# KiCad board poly_kb_molecule_8x5.kicad_pcb (continued)
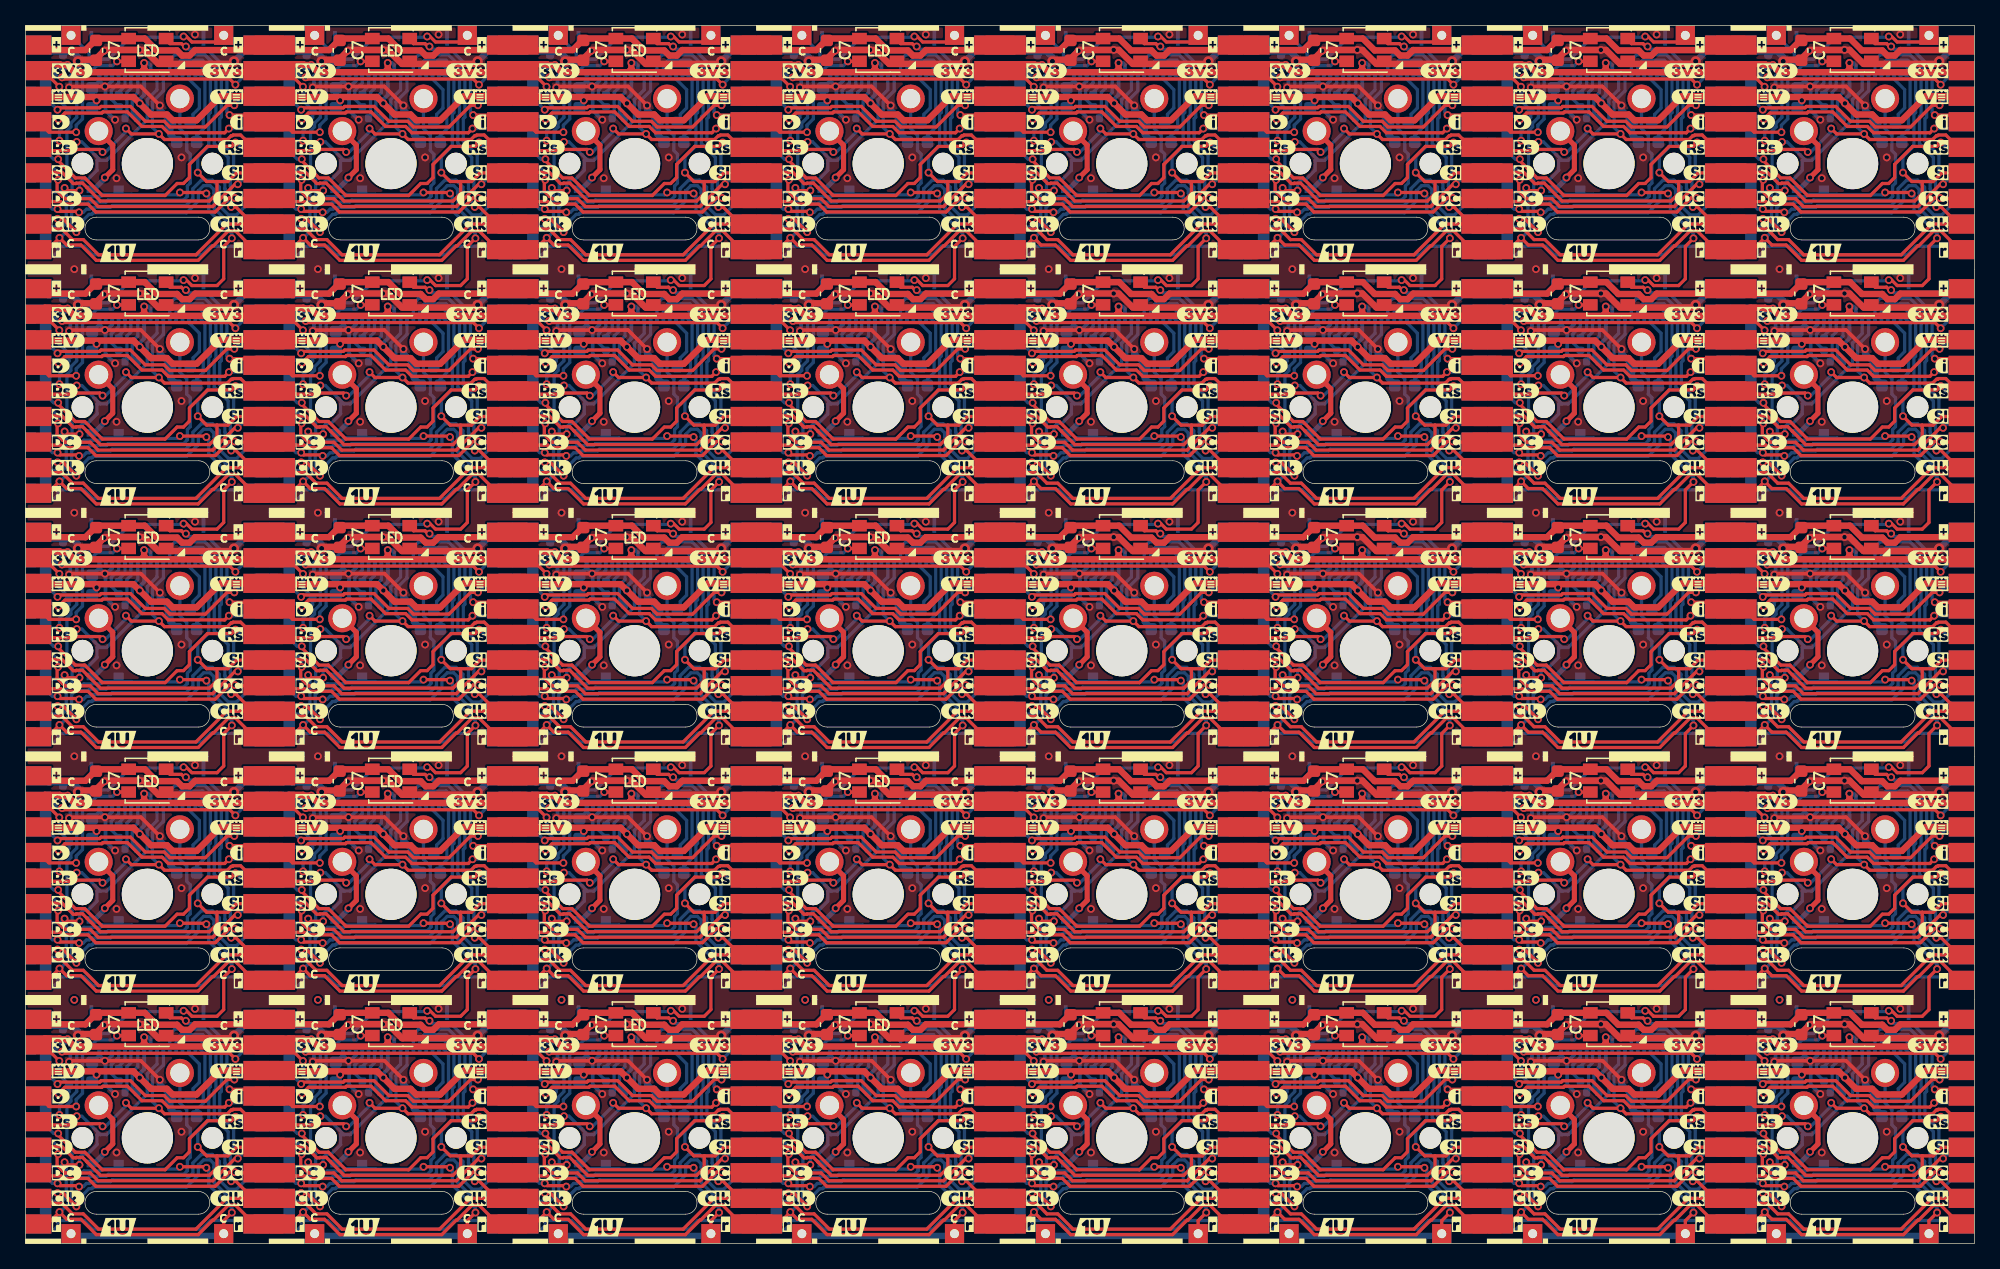
[diagram p0: board, top side]
## Routing (per net, layer and track width the routed paths; a pad name or vN(x,y) marks a point on that pad's centre or on a via; arc(x,y) is an arc through that point) (continued)
CS7: length 951
  Top w0.254: v1(78.7,61.09) 79.13,61.09 v1(80.17,60.04) ; v1(2.5,61.09) 2.93,61.09 v1(3.97,60.04) ; v1(78.7,80.14) 79.13,80.14 v1(80.17,79.09) ; v1(3.97,21.94) 2.93,22.99 v1(2.5,22.99) ; v1(40.6,3.94) 41.03,3.94 v1(42.07,2.89) ; v1(23.02,60.04) 21.98,61.09 v1(21.55,61.09) ; v1(61.12,79.09) 60.08,80.14 v1(59.65,80.14) ; v1(40.6,80.14) 41.03,80.14 v1(42.07,79.09) ; v1(59.65,3.94) 60.08,3.94 v1(61.12,2.89) ; v1(118.27,60.04) 117.23,61.09 v1(116.8,61.09) ; v1(118.27,2.89) 117.23,3.94 v1(116.8,3.94) ; v1(97.75,61.09) 98.18,61.09 v1(99.22,60.04) ; v1(118.27,79.09) 117.23,80.14 v1(116.8,80.14) ; v1(80.17,2.89) 79.13,3.94 v1(78.7,3.94) ; v1(137.32,2.89) 136.28,3.94 v1(135.85,3.94) ; v1(135.85,42.04) 136.28,42.04 v1(137.32,40.99) ; v1(137.32,60.04) 136.28,61.09 v1(135.85,61.09) ; v1(42.07,40.99) 41.03,42.04 v1(40.6,42.04) ; v1(97.75,42.04) 98.18,42.04 v1(99.22,40.99) ; v1(118.27,40.99) 117.23,42.04 v1(116.8,42.04) ; v1(23.02,2.89) 21.98,3.94 v1(21.55,3.94) ; v1(21.55,22.99) 21.98,22.99 v1(23.02,21.94) ; v1(80.17,21.94) 79.13,22.99 v1(78.7,22.99) ; v1(23.02,79.09) 21.98,80.14 v1(21.55,80.14) ; v1(137.32,79.09) 136.28,80.14 v1(135.85,80.14) ; v1(42.07,60.04) 41.03,61.09 v1(40.6,61.09) ; v1(3.97,40.99) 2.93,42.04 v1(2.5,42.04) ; v1(97.75,22.99) 98.18,22.99 v1(99.22,21.94) ; v1(3.97,2.89) 2.93,3.94 v1(2.5,3.94) ; v1(59.65,61.09) 60.08,61.09 v1(61.12,60.04) ; v1(135.85,22.99) 136.28,22.99 v1(137.32,21.94) ; v1(97.75,3.94) 98.18,3.94 v1(99.22,2.89) ; v1(61.12,40.99) 60.08,42.04 v1(59.65,42.04) ; v1(21.55,42.04) 21.98,42.04 v1(23.02,40.99) ; v1(61.12,21.94) 60.08,22.99 v1(59.65,22.99) ; v1(116.8,22.99) 117.23,22.99 v1(118.27,21.94) ; v1(80.17,40.99) 79.13,42.04 v1(78.7,42.04) ; v1(40.6,22.99) 41.03,22.99 v1(42.07,21.94) ; v1(3.97,79.09) 2.93,80.14 v1(2.5,80.14) ; v1(99.22,79.09) 98.18,80.14 v1(97.75,80.14)
  Bottom w0.254: v1(42.07,40.99) 42.07,41.25 42.11,41.28 42.11,41.43 43.06,42.39 43.26,42.39 43.31,42.43 43.33,42.43 43.4,42.5 50.68,42.5 51.61,43.43 51.61,44.21 51.63,44.22 51.63,44.23 51.63,44.23 51.63,44.24 52.03,44.63 52.53,44.63 52.82,44.34 52.82,44.04 52.86,44.01 52.86,42.85 54.08,41.62 J6#17.8 ; v1(40.6,22.99) 40.58,23.01 39.05,23.01 J5#40.8 ; v1(40.6,42.04) 40.58,42.06 39.05,42.06 J5#17.8 ; v1(3.97,40.99) 3.97,41.25 4.01,41.28 4.01,41.43 4.96,42.39 5.16,42.39 5.21,42.43 5.23,42.43 5.3,42.5 12.58,42.5 13.51,43.43 13.51,44.21 13.53,44.22 13.53,44.23 13.53,44.23 13.53,44.24 13.93,44.63 14.43,44.63 14.72,44.34 14.72,44.04 14.76,44.01 14.76,42.85 15.98,41.62 J6#8.8 ; v1(135.85,22.99) 135.83,23.01 134.3,23.01 J5#37.8 ; J6#7.8 130.28,60.67 129.06,61.9 129.06,63.06 129.02,63.09 129.02,63.39 128.73,63.68 128.23,63.68 127.83,63.29 127.83,63.28 127.83,63.28 127.83,63.27 127.81,63.26 127.81,62.48 126.88,61.55 119.6,61.55 119.53,61.48 119.51,61.48 119.46,61.44 119.26,61.44 118.31,60.48 118.31,60.33 118.27,60.3 v1(118.27,60.04) ; v1(23.02,60.04) 23.02,60.3 23.06,60.33 23.06,60.48 24.01,61.44 24.21,61.44 24.26,61.48 24.28,61.48 24.35,61.55 31.63,61.55 32.56,62.48 32.56,63.26 32.58,63.27 32.58,63.28 32.58,63.28 32.58,63.29 32.98,63.68 33.48,63.68 33.77,63.39 33.77,63.09 33.81,63.06 33.81,61.9 35.03,60.67 J6#2.8 ; v1(40.6,3.94) 40.58,3.96 39.05,3.96 J5#36.8 ; v1(80.17,40.99) 80.17,41.25 80.21,41.28 80.21,41.43 81.16,42.39 81.36,42.39 81.41,42.43 81.43,42.43 81.5,42.5 88.78,42.5 89.71,43.43 89.71,44.21 89.73,44.22 89.73,44.23 89.73,44.23 89.73,44.24 90.13,44.63 90.63,44.63 90.92,44.34 90.92,44.04 90.96,44.01 90.96,42.85 92.18,41.62 J6#32.8 ; v1(80.17,21.94) 80.17,22.2 80.21,22.23 80.21,22.38 81.16,23.34 81.36,23.34 81.41,23.38 81.43,23.38 81.5,23.45 88.78,23.45 89.71,24.38 89.71,25.16 89.73,25.17 89.73,25.18 89.73,25.18 89.73,25.19 90.13,25.58 90.63,25.58 90.92,25.29 90.92,24.99 90.96,24.96 90.96,23.8 92.18,22.57 J6#37.8 ; v1(61.12,79.09) 61.12,79.35 61.16,79.38 61.16,79.53 62.11,80.49 62.31,80.49 62.36,80.53 62.38,80.53 62.45,80.6 69.73,80.6 70.66,81.53 70.66,82.31 70.68,82.32 70.68,82.33 70.68,82.33 70.68,82.34 71.08,82.73 71.58,82.73 71.87,82.44 71.87,82.14 71.91,82.11 71.91,80.95 73.13,79.72 J6#15.8 ; J5#2.8 39.05,80.16 40.58,80.16 v1(40.6,80.14) ; J6#13.8 92.18,79.72 90.96,80.95 90.96,82.11 90.92,82.14 90.92,82.44 90.63,82.73 90.13,82.73 89.73,82.34 89.73,82.33 89.73,82.33 89.73,82.32 89.71,82.31 89.71,81.53 88.78,80.6 81.5,80.6 81.43,80.53 81.41,80.53 81.36,80.49 81.16,80.49 80.21,79.53 80.21,79.38 80.17,79.35 v1(80.17,79.09) ; J6#9.8 149.33,41.62 148.11,42.85 148.11,44.01 148.07,44.04 148.07,44.34 147.78,44.63 147.28,44.63 146.88,44.24 146.88,44.23 146.88,44.23 146.88,44.22 146.86,44.21 146.86,43.43 145.93,42.5 138.65,42.5 138.58,42.43 138.56,42.43 138.51,42.39 138.31,42.39 137.36,41.43 137.36,41.28 137.32,41.25 v1(137.32,40.99) ; J5#31.8 20,23.01 21.53,23.01 v1(21.55,22.99) ; J5#28.8 58.1,80.16 59.63,80.16 v1(59.65,80.14) ; v1(116.8,3.94) 116.78,3.96 115.25,3.96 J5#33.8 ; J5#19.8 20,61.11 21.53,61.11 v1(21.55,61.09) ; J6#26.8 54.08,3.53 52.86,4.75 52.86,5.91 52.82,5.94 52.82,6.24 52.53,6.53 52.03,6.53 51.63,6.14 51.63,6.13 51.63,6.13 51.63,6.12 51.61,6.11 51.61,5.33 50.68,4.4 43.4,4.4 43.33,4.33 43.31,4.33 43.26,4.29 43.06,4.29 42.11,3.33 42.11,3.18 42.07,3.15 v1(42.07,2.89) ; v1(118.27,40.99) 118.27,41.25 118.31,41.28 118.31,41.43 119.26,42.39 119.46,42.39 119.51,42.43 119.53,42.43 119.6,42.5 126.88,42.5 127.81,43.43 127.81,44.21 127.83,44.22 127.83,44.23 127.83,44.23 127.83,44.24 128.23,44.63 128.73,44.63 129.02,44.34 129.02,44.04 129.06,44.01 129.06,42.85 130.28,41.62 J6#34.8 ; J6#3.8 111.23,60.67 110.01,61.9 110.01,63.06 109.97,63.09 109.97,63.39 109.68,63.68 109.18,63.68 108.78,63.29 108.78,63.28 108.78,63.28 108.78,63.27 108.76,63.26 108.76,62.48 107.83,61.55 100.55,61.55 100.48,61.48 100.46,61.48 100.41,61.44 100.21,61.44 99.26,60.48 99.26,60.33 99.22,60.3 v1(99.22,60.04) ; v1(3.97,79.09) 3.97,79.35 4.01,79.38 4.01,79.53 4.96,80.49 5.16,80.49 5.21,80.53 5.23,80.53 5.3,80.6 12.58,80.6 13.51,81.53 13.51,82.31 13.53,82.32 13.53,82.33 13.53,82.33 13.53,82.34 13.93,82.73 14.43,82.73 14.72,82.44 14.72,82.14 14.76,82.11 14.76,80.95 15.98,79.72 J6.8 ; J5#38.8 134.3,61.11 135.83,61.11 v1(135.85,61.09) ; J5#6.8 58.1,3.96 59.63,3.96 v1(59.65,3.94) ; v1(137.32,60.04) 137.32,60.3 137.36,60.33 137.36,60.48 138.31,61.44 138.51,61.44 138.56,61.48 138.58,61.48 138.65,61.55 145.93,61.55 146.86,62.48 146.86,63.26 146.88,63.27 146.88,63.28 146.88,63.28 146.88,63.29 147.28,63.68 147.78,63.68 148.07,63.39 148.07,63.09 148.11,63.06 148.11,61.9 149.33,60.67 J6#33.8 ; J6#36.8 111.23,22.57 110.01,23.8 110.01,24.96 109.97,24.99 109.97,25.29 109.68,25.58 109.18,25.58 108.78,25.19 108.78,25.18 108.78,25.18 108.78,25.17 108.76,25.16 108.76,24.38 107.83,23.45 100.55,23.45 100.48,23.38 100.46,23.38 100.41,23.34 100.21,23.34 99.26,22.38 99.26,22.23 99.22,22.2 v1(99.22,21.94) ; J5#14.8 96.2,42.06 97.73,42.06 v1(97.75,42.04) ; J5#7.8 77.15,3.96 78.68,3.96 v1(78.7,3.94) ; v1(80.17,60.04) 80.17,60.3 80.21,60.33 80.21,60.48 81.16,61.44 81.36,61.44 81.41,61.48 81.43,61.48 81.5,61.55 88.78,61.55 89.71,62.48 89.71,63.26 89.73,63.27 89.73,63.28 89.73,63.28 89.73,63.29 90.13,63.68 90.63,63.68 90.92,63.39 90.92,63.09 90.96,63.06 90.96,61.9 92.18,60.67 J6#12.8 ; J5#39.8 134.3,42.06 135.83,42.06 v1(135.85,42.04) ; v1(97.75,22.99) 97.73,23.01 96.2,23.01 J5#16.8 ; v1(78.7,22.99) 78.68,23.01 77.15,23.01 J5#12.8 ; J6#11.8 15.98,22.57 14.76,23.8 14.76,24.96 14.72,24.99 14.72,25.29 14.43,25.58 13.93,25.58 13.53,25.19 13.53,25.18 13.53,25.18 13.53,25.17 13.51,25.16 13.51,24.38 12.58,23.45 5.3,23.45 5.23,23.38 5.21,23.38 5.16,23.34 4.96,23.34 4.01,22.38 4.01,22.23 3.97,22.2 v1(3.97,21.94) ; J5#34.8 0.95,42.06 2.48,42.06 v1(2.5,42.04) ; v1(59.65,61.09) 59.63,61.11 58.1,61.11 J5#10.8 ; v1(97.75,3.94) 97.73,3.96 96.2,3.96 J5#8.8 ; J6#6.8 111.23,3.53 110.01,4.75 110.01,5.91 109.97,5.94 109.97,6.24 109.68,6.53 109.18,6.53 108.78,6.14 108.78,6.13 108.78,6.13 108.78,6.12 108.76,6.11 108.76,5.33 107.83,4.4 100.55,4.4 100.48,4.33 100.46,4.33 100.41,4.29 100.21,4.29 99.26,3.33 99.26,3.18 99.22,3.15 v1(99.22,2.89) ; v1(61.12,21.94) 61.12,22.2 61.16,22.23 61.16,22.38 62.11,23.34 62.31,23.34 62.36,23.38 62.38,23.38 62.45,23.45 69.73,23.45 70.66,24.38 70.66,25.16 70.68,25.17 70.68,25.18 70.68,25.18 70.68,25.19 71.08,25.58 71.58,25.58 71.87,25.29 71.87,24.99 71.91,24.96 71.91,23.8 73.13,22.57 J6#14.8 ; J5#32.8 20,80.16 21.53,80.16 v1(21.55,80.14) ; v1(116.8,22.99) 116.78,23.01 115.25,23.01 J5#30.8 ; J5#25.8 115.25,61.11 116.78,61.11 v1(116.8,61.09) ; v1(137.32,79.09) 137.32,79.35 137.36,79.38 137.36,79.53 138.31,80.49 138.51,80.49 138.56,80.53 138.58,80.53 138.65,80.6 145.93,80.6 146.86,81.53 146.86,82.31 146.88,82.32 146.88,82.33 146.88,82.33 146.88,82.34 147.28,82.73 147.78,82.73 148.07,82.44 148.07,82.14 148.11,82.11 148.11,80.95 149.33,79.72 J6#24.8 ; J6#39.8 35.03,22.57 33.81,23.8 33.81,24.96 33.77,24.99 33.77,25.29 33.48,25.58 32.98,25.58 32.58,25.19 32.58,25.18 32.58,25.18 32.58,25.17 32.56,25.16 32.56,24.38 31.63,23.45 24.35,23.45 24.28,23.38 24.26,23.38 24.21,23.34 24.01,23.34 23.06,22.38 23.06,22.23 23.02,22.2 v1(23.02,21.94) ; v1(78.7,80.14) 78.68,80.16 77.15,80.16 J5#11.8 ; J5.8 0.95,80.16 2.48,80.16 v1(2.5,80.14) ; v1(97.75,61.09) 97.73,61.11 96.2,61.11 J5#23.8 ; J5#29.8 58.1,42.06 59.63,42.06 v1(59.65,42.04) ; v1(61.12,2.89) 61.12,3.15 61.16,3.18 61.16,3.33 62.11,4.29 62.31,4.29 62.36,4.33 62.38,4.33 62.45,4.4 69.73,4.4 70.66,5.33 70.66,6.11 70.68,6.12 70.68,6.13 70.68,6.13 70.68,6.14 71.08,6.53 71.58,6.53 71.87,6.24 71.87,5.94 71.91,5.91 71.91,4.75 73.13,3.53 J6#25.8 ; J5#5.8 20,42.06 21.53,42.06 v1(21.55,42.04) ; J6#4.8 35.03,79.72 33.81,80.95 33.81,82.11 33.77,82.14 33.77,82.44 33.48,82.73 32.98,82.73 32.58,82.34 32.58,82.33 32.58,82.33 32.58,82.32 32.56,82.31 32.56,81.53 31.63,80.6 24.35,80.6 24.28,80.53 24.26,80.53 24.21,80.49 24.01,80.49 23.06,79.53 23.06,79.38 23.02,79.35 v1(23.02,79.09) ; v1(2.5,61.09) 2.48,61.11 0.95,61.11 J5#27.8 ; v1(137.32,21.94) 137.32,22.2 137.36,22.23 137.36,22.38 138.31,23.34 138.51,23.34 138.56,23.38 138.58,23.38 138.65,23.45 145.93,23.45 146.86,24.38 146.86,25.16 146.88,25.17 146.88,25.18 146.88,25.18 146.88,25.19 147.28,25.58 147.78,25.58 148.07,25.29 148.07,24.99 148.11,24.96 148.11,23.8 149.33,22.57 J6#5.8 ; J6#30.8 35.03,3.53 33.81,4.75 33.81,5.91 33.77,5.94 33.77,6.24 33.48,6.53 32.98,6.53 32.58,6.14 32.58,6.13 32.58,6.13 32.58,6.12 32.56,6.11 32.56,5.33 31.63,4.4 24.35,4.4 24.28,4.33 24.26,4.33 24.21,4.29 24.01,4.29 23.06,3.33 23.06,3.18 23.02,3.15 v1(23.02,2.89) ; v1(116.8,80.14) 116.78,80.16 115.25,80.16 J5#20.8 ; J6#19.8 54.08,79.72 52.86,80.95 52.86,82.11 52.82,82.14 52.82,82.44 52.53,82.73 52.03,82.73 51.63,82.34 51.63,82.33 51.63,82.33 51.63,82.32 51.61,82.31 51.61,81.53 50.68,80.6 43.4,80.6 43.33,80.53 43.31,80.53 43.26,80.49 43.06,80.49 42.11,79.53 42.11,79.38 42.07,79.35 v1(42.07,79.09) ; v1(3.97,2.89) 3.97,3.15 4.01,3.18 4.01,3.33 4.96,4.29 5.16,4.29 5.21,4.33 5.23,4.33 5.3,4.4 12.58,4.4 13.51,5.33 13.51,6.11 13.53,6.12 13.53,6.13 13.53,6.13 13.53,6.14 13.93,6.53 14.43,6.53 14.72,6.24 14.72,5.94 14.76,5.91 14.76,4.75 15.98,3.53 J6#31.8 ; v1(99.22,40.99) 99.22,41.25 99.26,41.28 99.26,41.43 100.21,42.39 100.41,42.39 100.46,42.43 100.48,42.43 100.55,42.5 107.83,42.5 108.76,43.43 108.76,44.21 108.78,44.22 108.78,44.23 108.78,44.23 108.78,44.24 109.18,44.63 109.68,44.63 109.97,44.34 109.97,44.04 110.01,44.01 110.01,42.85 111.23,41.62 J6#16.8 ; J6#29.8 130.28,3.53 129.06,4.75 129.06,5.91 129.02,5.94 129.02,6.24 128.73,6.53 128.23,6.53 127.83,6.14 127.83,6.13 127.83,6.13 127.83,6.12 127.81,6.11 127.81,5.33 126.88,4.4 119.6,4.4 119.53,4.33 119.51,4.33 119.46,4.29 119.26,4.29 118.31,3.33 118.31,3.18 118.27,3.15 v1(118.27,2.89) ; v1(42.07,21.94) 42.07,22.2 42.11,22.23 42.11,22.38 43.06,23.34 43.26,23.34 43.31,23.38 43.33,23.38 43.4,23.45 50.68,23.45 51.61,24.38 51.61,25.16 51.63,25.17 51.63,25.18 51.63,25.18 51.63,25.19 52.03,25.58 52.53,25.58 52.82,25.29 52.82,24.99 52.86,24.96 52.86,23.8 54.08,22.57 J6#27.8 ; J6#22.8 73.13,41.62 71.91,42.85 71.91,44.01 71.87,44.04 71.87,44.34 71.58,44.63 71.08,44.63 70.68,44.24 70.68,44.23 70.68,44.23 70.68,44.22 70.66,44.21 70.66,43.43 69.73,42.5 62.45,42.5 62.38,42.43 62.36,42.43 62.31,42.39 62.11,42.39 61.16,41.43 61.16,41.28 61.12,41.25 v1(61.12,40.99) ; v1(118.27,21.94) 118.27,22.2 118.31,22.23 118.31,22.38 119.26,23.34 119.46,23.34 119.51,23.38 119.53,23.38 119.6,23.45 126.88,23.45 127.81,24.38 127.81,25.16 127.83,25.17 127.83,25.18 127.83,25.18 127.83,25.19 128.23,25.58 128.73,25.58 129.02,25.29 129.02,24.99 129.06,24.96 129.06,23.8 130.28,22.57 J6#18.8 ; J6#20.8 111.23,79.72 110.01,80.95 110.01,82.11 109.97,82.14 109.97,82.44 109.68,82.73 109.18,82.73 108.78,82.34 108.78,82.33 108.78,82.33 108.78,82.32 108.76,82.31 108.76,81.53 107.83,80.6 100.55,80.6 100.48,80.53 100.46,80.53 100.41,80.49 100.21,80.49 99.26,79.53 99.26,79.38 99.22,79.35 v1(99.22,79.09) ; J5#22.8 96.2,80.16 97.73,80.16 v1(97.75,80.14) ; v1(2.5,3.94) 2.48,3.96 0.95,3.96 J5#21.8 ; v1(2.5,22.99) 2.48,23.01 0.95,23.01 J5#3.8 ; J6#23.8 92.18,3.53 90.96,4.75 90.96,5.91 90.92,5.94 90.92,6.24 90.63,6.53 90.13,6.53 89.73,6.14 89.73,6.13 89.73,6.13 89.73,6.12 89.71,6.11 89.71,5.33 88.78,4.4 81.5,4.4 81.43,4.33 81.41,4.33 81.36,4.29 81.16,4.29 80.21,3.33 80.21,3.18 80.17,3.15 v1(80.17,2.89) ; v1(61.12,60.04) 61.12,60.3 61.16,60.33 61.16,60.48 62.11,61.44 62.31,61.44 62.36,61.48 62.38,61.48 62.45,61.55 69.73,61.55 70.66,62.48 70.66,63.26 70.68,63.27 70.68,63.28 70.68,63.28 70.68,63.29 71.08,63.68 71.58,63.68 71.87,63.39 71.87,63.09 71.91,63.06 71.91,61.9 73.13,60.67 J6#10.8 ; J6#28.8 54.08,60.67 52.86,61.9 52.86,63.06 52.82,63.09 52.82,63.39 52.53,63.68 52.03,63.68 51.63,63.29 51.63,63.28 51.63,63.28 51.63,63.27 51.61,63.26 51.61,62.48 50.68,61.55 43.4,61.55 43.33,61.48 43.31,61.48 43.26,61.44 43.06,61.44 42.11,60.48 42.11,60.33 42.07,60.3 v1(42.07,60.04) ; J5#26.8 134.3,3.96 135.83,3.96 v1(135.85,3.94) ; J5#35.8 39.05,61.11 40.58,61.11 v1(40.6,61.09) ; v1(137.32,2.89) 137.32,3.15 137.36,3.18 137.36,3.33 138.31,4.29 138.51,4.29 138.56,4.33 138.58,4.33 138.65,4.4 145.93,4.4 146.86,5.33 146.86,6.11 146.88,6.12 146.88,6.13 146.88,6.13 146.88,6.14 147.28,6.53 147.78,6.53 148.07,6.24 148.07,5.94 148.11,5.91 148.11,4.75 149.33,3.53 J6#38.8 ; J5#24.8 77.15,42.06 78.68,42.06 v1(78.7,42.04) ; J5#18.8 20,3.96 21.53,3.96 v1(21.55,3.94) ; v1(135.85,80.14) 135.83,80.16 134.3,80.16 J5#13.8 ; v1(118.27,79.09) 118.27,79.35 118.31,79.38 118.31,79.53 119.26,80.49 119.46,80.49 119.51,80.53 119.53,80.53 119.6,80.6 126.88,80.6 127.81,81.53 127.81,82.31 127.83,82.32 127.83,82.33 127.83,82.33 127.83,82.34 128.23,82.73 128.73,82.73 129.02,82.44 129.02,82.14 129.06,82.11 129.06,80.95 130.28,79.72 J6#35.8 ; J5#4.8 58.1,23.01 59.63,23.01 v1(59.65,22.99) ; J5#15.8 77.15,61.11 78.68,61.11 v1(78.7,61.09) ; v1(3.97,60.04) 3.97,60.3 4.01,60.33 4.01,60.48 4.96,61.44 5.16,61.44 5.21,61.48 5.23,61.48 5.3,61.55 12.58,61.55 13.51,62.48 13.51,63.26 13.53,63.27 13.53,63.28 13.53,63.28 13.53,63.29 13.93,63.68 14.43,63.68 14.72,63.39 14.72,63.09 14.76,63.06 14.76,61.9 15.98,60.67 J6#40.8 ; J6#21.8 35.03,41.62 33.81,42.85 33.81,44.01 33.77,44.04 33.77,44.34 33.48,44.63 32.98,44.63 32.58,44.24 32.58,44.23 32.58,44.23 32.58,44.22 32.56,44.21 32.56,43.43 31.63,42.5 24.35,42.5 24.28,42.43 24.26,42.43 24.21,42.39 24.01,42.39 23.06,41.43 23.06,41.28 23.02,41.25 v1(23.02,40.99) ; J5#9.8 115.25,42.06 116.78,42.06 v1(116.8,42.04)
  Bottom w1.5: J6#37.8 J5#16.8 ; J6#2.8 J5#35.8 ; J6#36.8 J5#30.8 ; J6#12.8 J5#23.8 ; J6#21.8 J5#17.8 ; J6#11.8 J5#31.8 ; J6#3.8 J5#25.8 ; J6#30.8 J5#36.8 ; J6#29.8 J5#26.8 ; J6#22.8 J5#24.8 ; J6.8 J5#32.8 ; J6#8.8 J5#5.8 ; J6#27.8 J5#4.8 ; J6#7.8 J5#38.8 ; J6#34.8 J5#39.8 ; J6#17.8 J5#29.8 ; J6#20.8 J5#20.8 ; J6#15.8 J5#11.8 ; J6#19.8 J5#28.8 ; J6#28.8 J5#10.8 ; J6#13.8 J5#22.8 ; J6#26.8 J5#6.8 ; J6#10.8 J5#15.8 ; J6#40.8 J5#19.8 ; J6#35.8 J5#13.8 ; J6#23.8 J5#8.8 ; J6#16.8 J5#9.8 ; J6#39.8 J5#40.8 ; J6#25.8 J5#7.8 ; J6#6.8 J5#33.8 ; J6#32.8 J5#14.8 ; J6#18.8 J5#37.8 ; J6#31.8 J5#18.8 ; J6#4.8 J5#2.8 ; J6#14.8 J5#12.8
CS8: length 771.6
  Bottom w0.254: 20.32,77.72 20.83,77.22 21.21,77.22 21.58,77.58 21.58,77.99 23.64,77.99 24.31,77.32 32.84,77.32 33.51,77.99 36.56,77.99 36.83,77.72 ; 74.93,39.62 74.66,39.89 71.61,39.89 70.94,39.22 62.41,39.22 61.74,39.89 59.68,39.89 59.68,39.48 59.31,39.12 58.93,39.12 58.42,39.62 ; 17.78,58.67 17.51,58.94 14.46,58.94 13.79,58.27 5.26,58.27 4.59,58.94 2.53,58.94 2.53,58.53 2.16,58.17 1.78,58.17 1.27,58.67 ; 96.52,77.72 97.03,77.22 97.41,77.22 97.78,77.58 97.78,77.99 99.84,77.99 100.51,77.32 109.04,77.32 109.71,77.99 112.76,77.99 113.03,77.72 ; 58.42,77.72 58.93,77.22 59.31,77.22 59.68,77.58 59.68,77.99 61.74,77.99 62.41,77.32 70.94,77.32 71.61,77.99 74.66,77.99 74.93,77.72 ; 55.88,77.72 55.61,77.99 52.56,77.99 51.89,77.32 43.36,77.32 42.69,77.99 40.63,77.99 40.63,77.58 40.26,77.22 39.88,77.22 39.37,77.72 ; 1.27,77.72 1.78,77.22 2.16,77.22 2.53,77.58 2.53,77.99 4.59,77.99 5.26,77.32 13.79,77.32 14.46,77.99 17.51,77.99 17.78,77.72 ; 20.32,39.62 20.83,39.12 21.21,39.12 21.58,39.48 21.58,39.89 23.64,39.89 24.31,39.22 32.84,39.22 33.51,39.89 36.56,39.89 36.83,39.62 ; 74.93,1.53 74.66,1.79 71.61,1.79 70.94,1.12 62.41,1.12 61.74,1.79 59.68,1.79 59.68,1.38 59.31,1.02 58.93,1.02 58.42,1.53 ; 1.27,20.57 1.78,20.07 2.16,20.07 2.53,20.43 2.53,20.84 4.59,20.84 5.26,20.17 13.79,20.17 14.46,20.84 17.51,20.84 17.78,20.57 ; 20.32,58.67 20.83,58.17 21.21,58.17 21.58,58.53 21.58,58.94 23.64,58.94 24.31,58.27 32.84,58.27 33.51,58.94 36.56,58.94 36.83,58.67 ; 151.13,1.53 150.86,1.79 147.81,1.79 147.14,1.12 138.61,1.12 137.94,1.79 135.88,1.79 135.88,1.38 135.51,1.02 135.13,1.02 134.62,1.53 ; 58.42,20.57 58.93,20.07 59.31,20.07 59.68,20.43 59.68,20.84 61.74,20.84 62.41,20.17 70.94,20.17 71.61,20.84 74.66,20.84 74.93,20.57 ; 115.57,20.57 116.08,20.07 116.46,20.07 116.83,20.43 116.83,20.84 118.89,20.84 119.56,20.17 128.09,20.17 128.76,20.84 131.81,20.84 132.08,20.57 ; 77.47,20.57 77.98,20.07 78.36,20.07 78.73,20.43 78.73,20.84 80.79,20.84 81.46,20.17 89.99,20.17 90.66,20.84 93.71,20.84 93.98,20.57 ; 55.88,20.57 55.61,20.84 52.56,20.84 51.89,20.17 43.36,20.17 42.69,20.84 40.63,20.84 40.63,20.43 40.26,20.07 39.88,20.07 39.37,20.57 ; 74.93,58.67 74.66,58.94 71.61,58.94 70.94,58.27 62.41,58.27 61.74,58.94 59.68,58.94 59.68,58.53 59.31,58.17 58.93,58.17 58.42,58.67 ; 115.57,58.67 116.08,58.17 116.46,58.17 116.83,58.53 116.83,58.94 118.89,58.94 119.56,58.27 128.09,58.27 128.76,58.94 131.81,58.94 132.08,58.67 ; 96.52,1.53 97.03,1.02 97.41,1.02 97.78,1.38 97.78,1.79 99.84,1.79 100.51,1.12 109.04,1.12 109.71,1.79 112.76,1.79 113.03,1.53 ; 17.78,1.53 17.51,1.79 14.46,1.79 13.79,1.12 5.26,1.12 4.59,1.79 2.53,1.79 2.53,1.38 2.16,1.02 1.78,1.02 1.27,1.53 ; 134.62,77.72 135.13,77.22 135.51,77.22 135.88,77.58 135.88,77.99 137.94,77.99 138.61,77.32 147.14,77.32 147.81,77.99 150.86,77.99 151.13,77.72 ; 113.03,58.67 112.76,58.94 109.71,58.94 109.04,58.27 100.51,58.27 99.84,58.94 97.78,58.94 97.78,58.53 97.41,58.17 97.03,58.17 96.52,58.67 ; 93.98,1.53 93.71,1.79 90.66,1.79 89.99,1.12 81.46,1.12 80.79,1.79 78.73,1.79 78.73,1.38 78.36,1.02 77.98,1.02 77.47,1.53 ; 36.83,1.53 36.56,1.79 33.51,1.79 32.84,1.12 24.31,1.12 23.64,1.79 21.58,1.79 21.58,1.38 21.21,1.02 20.83,1.02 20.32,1.53 ; 151.13,20.57 150.86,20.84 147.81,20.84 147.14,20.17 138.61,20.17 137.94,20.84 135.88,20.84 135.88,20.43 135.51,20.07 135.13,20.07 134.62,20.57 ; 113.03,39.62 112.76,39.89 109.71,39.89 109.04,39.22 100.51,39.22 99.84,39.89 97.78,39.89 97.78,39.48 97.41,39.12 97.03,39.12 96.52,39.62 ; 77.47,58.67 77.98,58.17 78.36,58.17 78.73,58.53 78.73,58.94 80.79,58.94 81.46,58.27 89.99,58.27 90.66,58.94 93.71,58.94 93.98,58.67 ; 132.08,1.53 131.81,1.79 128.76,1.79 128.09,1.12 119.56,1.12 118.89,1.79 116.83,1.79 116.83,1.38 116.46,1.02 116.08,1.02 115.57,1.53 ; 93.98,77.72 93.71,77.99 90.66,77.99 89.99,77.32 81.46,77.32 80.79,77.99 78.73,77.99 78.73,77.58 78.36,77.22 77.98,77.22 77.47,77.72 ; 17.78,39.62 17.51,39.89 14.46,39.89 13.79,39.22 5.26,39.22 4.59,39.89 2.53,39.89 2.53,39.48 2.16,39.12 1.78,39.12 1.27,39.62 ; 39.37,1.53 39.88,1.02 40.26,1.02 40.63,1.38 40.63,1.79 42.69,1.79 43.36,1.12 51.89,1.12 52.56,1.79 55.61,1.79 55.88,1.53 ; 36.83,20.57 36.56,20.84 33.51,20.84 32.84,20.17 24.31,20.17 23.64,20.84 21.58,20.84 21.58,20.43 21.21,20.07 20.83,20.07 20.32,20.57 ; 134.62,58.67 135.13,58.17 135.51,58.17 135.88,58.53 135.88,58.94 137.94,58.94 138.61,58.27 147.14,58.27 147.81,58.94 150.86,58.94 151.13,58.67 ; 96.52,20.57 97.03,20.07 97.41,20.07 97.78,20.43 97.78,20.84 99.84,20.84 100.51,20.17 109.04,20.17 109.71,20.84 112.76,20.84 113.03,20.57 ; 55.88,58.67 55.61,58.94 52.56,58.94 51.89,58.27 43.36,58.27 42.69,58.94 40.63,58.94 40.63,58.53 40.26,58.17 39.88,58.17 39.37,58.67 ; 39.37,39.62 39.88,39.12 40.26,39.12 40.63,39.48 40.63,39.89 42.69,39.89 43.36,39.22 51.89,39.22 52.56,39.89 55.61,39.89 55.88,39.62 ; 115.57,77.72 116.08,77.22 116.46,77.22 116.83,77.58 116.83,77.99 118.89,77.99 119.56,77.32 128.09,77.32 128.76,77.99 131.81,77.99 132.08,77.72 ; 93.98,39.62 93.71,39.89 90.66,39.89 89.99,39.22 81.46,39.22 80.79,39.89 78.73,39.89 78.73,39.48 78.36,39.12 77.98,39.12 77.47,39.62 ; 151.13,39.62 150.86,39.89 147.81,39.89 147.14,39.22 138.61,39.22 137.94,39.89 135.88,39.89 135.88,39.48 135.51,39.12 135.13,39.12 134.62,39.62 ; 115.57,39.62 116.08,39.12 116.46,39.12 116.83,39.48 116.83,39.89 118.89,39.89 119.56,39.22 128.09,39.22 128.76,39.89 131.81,39.89 132.08,39.62